# Altium PCB BEE_BOARD.PcbDoc (part 2 of 3) (continued)
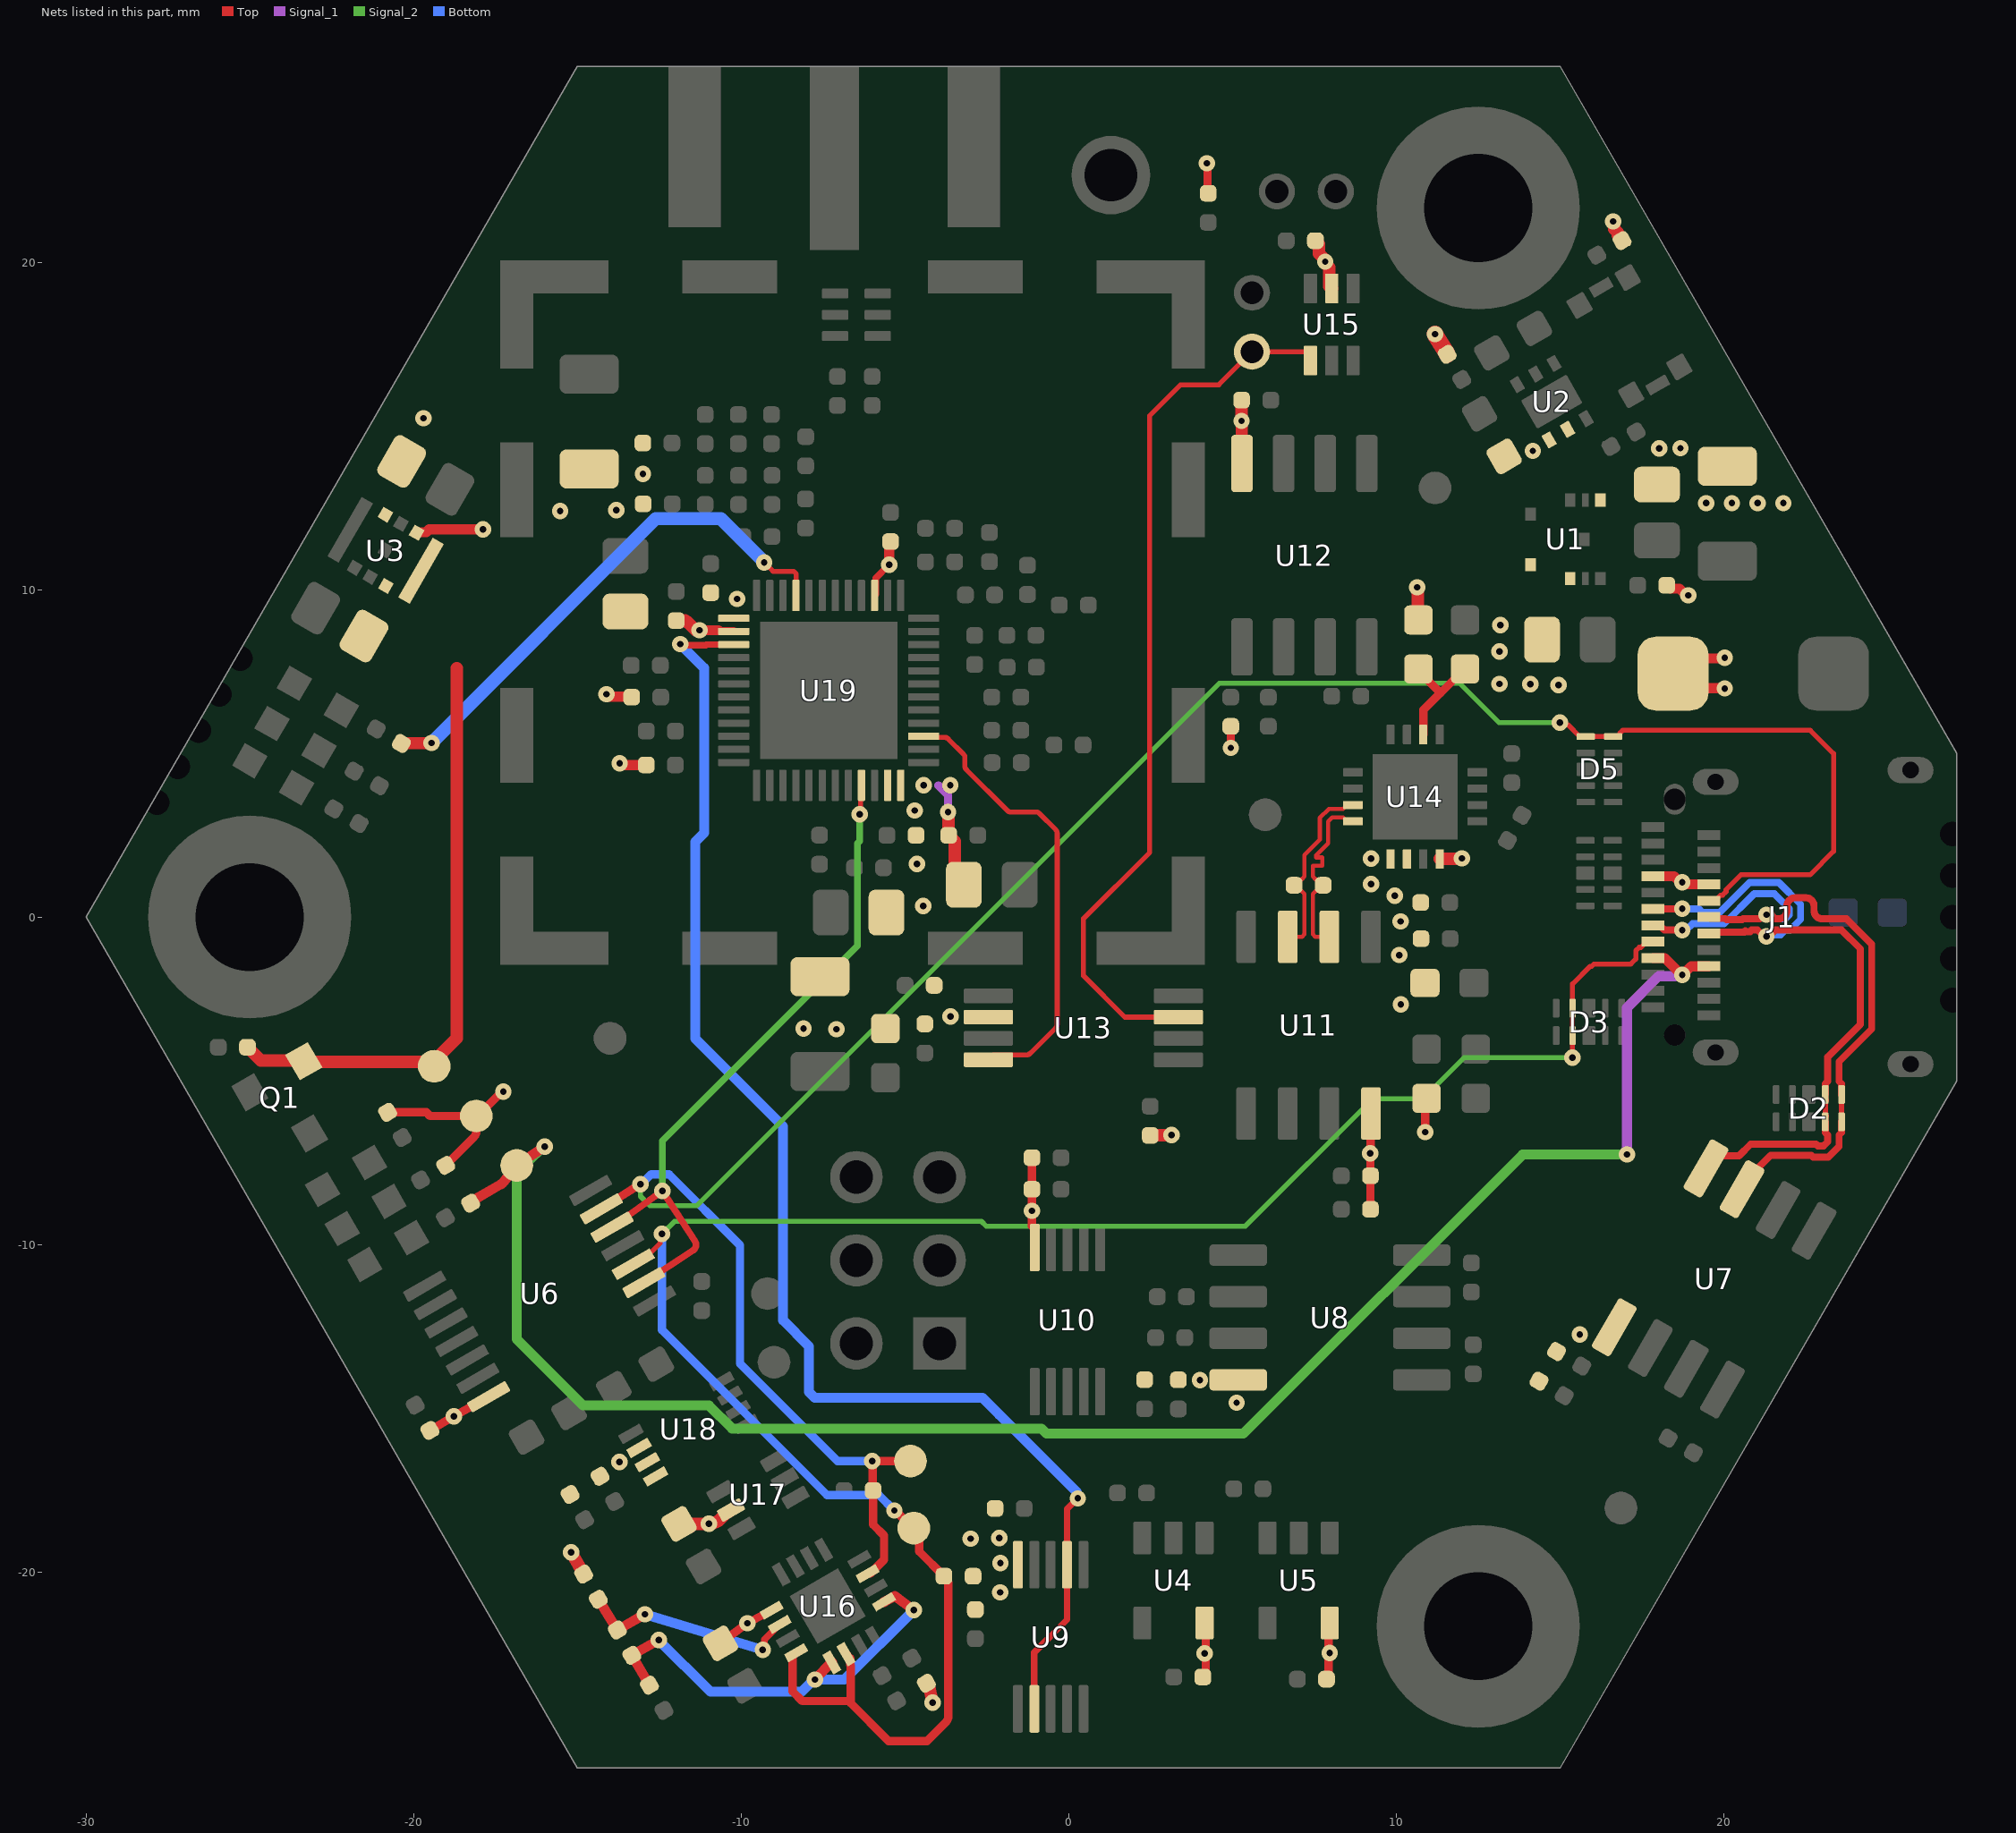
[diagram p8: the nets of this part, all layers, seen from the top]
## Part data (continued)
R35: library part RES_RC0402FR-0711KL, "RES - 11K 1% 1/16W - 0402", Manufacturer #1=Yageo, Package=0402, Power Max=1/16W, Supplier Part Number 1=311-11.0KLRCT-ND, Temperature="-55°C ~ 155°C", Tolerance=1%, Voltage Rating=50V, Assembly Type=SMD, CreatedBy/Date="Keven Deslandes 2018-10-15", Cryo=UNKNOWN, GRAMS Lib Spec=2.8, HelpURL=http://www.yageo.com/documents/recent/PYu-RC_Group_51_RoHS_L_9.pdf, Magnetic Material=Unknown, Part Number #1=RC0402FR-0711KL, Polarized=No, Supplier 1=Digi-Key, VerifiedBy="Carolilne Paulin - 18/12/2018"
R36: library part RES_RC0402FR-0716KL, "RES - 16k OHM 1% 1/16W - 0402", Manufacturer #1=Yageo, Package=0402, Power Max=1/16W, Supplier Part Number 1=311-16.0KLRCT-ND, Temperature="-55°C ~ 155°C", Tolerance=1%, Voltage Rating=50V, Assembly Type=SMD, CreatedBy/Date="Nicolas Roy/18 oct. 2018", Cryo=UNKNOWN, GRAMS Lib Spec=2.8, HelpURL=http://www.yageo.com/documents/recent/PYu-RC_Group_51_RoHS_L_9.pdf, Magnetic Material=Unknown, Part Number #1=RC0402FR-0716KL, Polarized=NO, Supplier 1=Digi-Key, VerifiedBy="Caroline Paulin - 18/12/2018"
R37: library part RES_RC0402FR-07270RL, "RES - 270R 1% 1/16W - 0402", Manufacturer #1=Yageo, Package=0402, Power Max=1/16W, Supplier Part Number 1=311-270LRCT-ND, Temperature="-55°C ~ 155°C", Tolerance=1%, Voltage Rating=50V, Assembly Type=SMD, CreatedBy/Date="Philippe Arsenault 2020-07-24", GRAMS Lib Spec=2.8c, HelpURL=https://www.yageo.com/upload/media/product/productsearch/datasheet/rchip/PYu-RC_Group_51_RoHS_L_10.pdf, Magnetic Material=Unknown, Part Number #1=RC0402FR-07270RL, Polarized=No, Supplier 1=Digi-Key, VerifiedBy="Louis-Daniel Gaulin / 03-10-2020"
RF1: library part RF_SH_BASE_36103205S, "RF_SH -  BASE RF SHIELD 0.787\" X 0.787\" SMD", Manufacturer #1="Würth Elektronik", Supplier Part Number 1=732-11540-1-ND, Temperature="-40°C ~ 125°C", Assembly Type=SMD, CreatedBy/Date="Philippe Arsenault/2021-04-17", GRAMS Lib Spec=2.8, HelpURL=https://www.we-online.de/katalog/datasheet/36903205S.pdf, Magnetic Material=Unknown, Note="Buy with 36003200S", Part Number #1=36103205S, Polarized=No, Supplier 1=Digi-Key, VerifiedBy="Louis-Daniel Gaulin / 29-04-2021"
S1: library part SWI_TACT_435171014816, "SWI - SWITCH TACTILE SPST-NO 0.05A 12V -SMD", Current Rating=50mA, Manufacturer #1="Würth Elektronik", Package=SMD, Supplier Part Number 1=732-435171014816CT-ND, Temperature="-40°C ~ 85°C", Voltage Rating=12VDC, Assembly Type=SMD, CreatedBy/Date="Hubert Dube - 22/07/20", Cryo=UNKNOWN, GRAMS Lib Spec=2.8, HelpURL=https://www.we-online.com/catalog/datasheet/435171014816.pdf, Magnetic Material=UNKNOWN, Part Number #1=435171014816, Polarized=No, Supplier 1=Digi-Key, VerifiedBy="Louis-Daniel Gaulin / 12-11-2020"
T1: library part XFR_HHM1595A1, "XFR - Imp Unbalaced/Balanced 50/100 3-8GHz  -SMD", Manufacturer #1=TDK, Package=0805, Supplier Part Number 1=445-3387-1-ND, Temperature="-40°C ~ 85°C", Assembly Type=MT, CreatedBy/Date="Philippe Arsenault/2020-21-07", GRAMS Lib Spec=2.8, HelpURL=https://product.tdk.com/info/en/documents/data_sheet/rf_balun_hhm1595a1_en.pdf, Magnetic Material=Unknown, Part Number #1=HHM1595A1, Polarized=Yes, Supplier 1=Digi-Key, VerifiedBy="Louis-Daniel Gaulin / 03-10-2020"
U1: library part REG_SWR_XCL214B333DR, "REG_DC DC CONVERTER 3.3V 5W_9-PowerTFQFN", Current Rating=1.5A, Manufacturer #1="Torex Semiconductor Ltd", Package=9-PowerTFQFN, Supplier Part Number 1=893-1218-1-ND, Temperature="-40°C ~ 105°C", Voltage Rating="2.7V to 5.5V IN", Assembly Type=SMD, CreatedBy/Date="Louis-Daniel Gaulin / 21-07-2020", Cryo=UNKNOWN, GRAMS Lib Spec=2.8, HelpURL=https://www.torexsemi.com/file/xcl213/XCL213-XCL214.pdf, Magnetic Material=Unknown, Part Number #1=XCL214B333DR, Polarized=Yes, Supplier 1=Digi-Key, VerifiedBy="Philippe Arsenault/2020-11-06"
U2: library part POW_TPS3808G33DRVR, "POW - Programmable-Delay Supervisory Circuit Open Drain - 6WSON", Current Rating=2.4uA, Manufacturer #1="Texas Instruments", Package=6-WSON, Supplier Part Number 1=296-36792-1-ND, Temperature="-40°C ~ 125°C", Voltage Rating="1.7V ~ 6.5V (VDD); 3.07V TH", Assembly Type=SMD, CreatedBy/Date="Philippe Arsenault/2021-04-19", Cryo=UNKNOWN, GRAMS Lib Spec=2.8, HelpURL=http://www.ti.com/lit/ds/symlink/tps3808.pdf, Magnetic Material=Unknown, Part Number #1=TPS3808G33DRVR, Polarized=Yes, Supplier 1=Digi-Key, VerifiedBy="Louis-Daniel Gaulin / 29-04-2021"
U3: library part REG_SWR_MYRGP180100W21RA, "REG_DC DC CONVERTER 1.8V 1.8W_8-PowerTDFN", Current Rating=1A, Manufacturer #1="Murata Power Solutions Inc.", Package=8-PowerTDFN, Supplier Part Number 1=811-MYRGP180100W21RACT-ND, Temperature=-40°C~105°C, Voltage Rating="2.5V to 5.5V IN", Assembly Type=SMD, CreatedBy/Date="Louis-Daniel Gaulin / 21-07-2020", Cryo=UNKNOWN, GRAMS Lib Spec=2.8, HelpURL=https://www.murata.com/products/productdata/8807036026910/MYRGP-b-w.pdf?1583754814000, Magnetic Material=Unknown, Part Number #1=MYRGP180100W21RA, Polarized=Yes, Supplier 1=Digi-Key, VerifiedBy="Philippe Arsenault/2020-11-06"
U4 U5: library part LOG_BUF_74AHC1G07GV,125, "LOG_BUF - Buffer non-inverting Open Drain - SC-74A", Current Rating=8mA, Manufacturer #1="Nexperia USA Inc.", Package=SC-74A, Power Max=-, Supplier Part Number 1=1727-6761-1-ND, Temperature="-40°C ~ 125°C (TA)", Voltage Rating="2V ~ 5.5V", Assembly Type=SMD, CreatedBy/Date="Louis-Daniel Gaulin / 07-04-2021", GRAMS Lib Spec=2.8, HelpURL=https://assets.nexperia.com/documents/data-sheet/74AHC1G07.pdf, Magnetic Material=Unknown, Part Number #1=74AHC1G07GV,125, Polarized=Yes, Supplier 1=Digi-Key, VerifiedBy="Philippe Arsenault/2021-04-08"
U6: library part LOG_BUF_74LVC126APW,118, "LOG_BUF - Quad Buffer non-inverting 3-States - 14-TSSOP", Current Rating="100mA (supply) - 24mA (output)", Manufacturer #1="Nexperia USA Inc.", Package=14-TSSOP, Power Max=500mW, Supplier Part Number 1=1727-5979-1-ND, Temperature="-40°C ~ 125°C (TA)", Voltage Rating="1.65V ~ 3.6V", Assembly Type=SMD, CreatedBy/Date="Louis-Daniel Gaulin / 11-04-2021", GRAMS Lib Spec=2.8, HelpURL=https://assets.nexperia.com/documents/data-sheet/74LVC126A.pdf, Magnetic Material=Unknown, Part Number #1=74LVC126APW,118, Polarized=Yes, Supplier 1=Digi-Key, VerifiedBy="Philippe Arsenault/2021-04-14"
U7: library part COM_XCV_FIN1027AMX, "COM_XCV - 3V3 LVCMOS to LVDS, 2 bits, High-SPEED, DIFF driver - SOIC-8", Current Rating=17mA, Manufacturer #1="ON Semiconductor", Package=SOIC-8, Power Max=56mW, Supplier Part Number 1=FIN1027AMXCT-ND, Temperature="-40°C ~ 85°C", Voltage Rating="3V ~ 3.6V", Assembly Type=SMD, CreatedBy/Date="Philippe Arsenault/2021-04-01", GRAMS Lib Spec=2.8, HelpURL=https://www.onsemi.com/pdf/datasheet/fin1027a-d.pdf, Magnetic Material=Unknown, Part Number #1=FIN1027AMX, Polarized=YES, Supplier 1=Digi-Key, VerifiedBy="Louis-Daniel Gaulin - 05/04/2021"
U8 U12: library part COM_XCV_FIN1028MX, "COM_XCV - 3V3 LVDS to LVCMOS, 2 bits, High-SPEED, DIFF receiver - SOIC-8", Current Rating=9mA, Manufacturer #1="ON Semiconductor", Package=SOIC-8, Power Max=30mW, Supplier Part Number 1=FIN1028MXCT-ND, Temperature="-40°C ~ 85°C", Voltage Rating="3V ~ 3.6V", Assembly Type=SMD, CreatedBy/Date="Philippe Arsenault/2021-04-01", GRAMS Lib Spec=2.8, HelpURL=https://www.onsemi.com/pdf/datasheet/fin1028-d.pdf, Magnetic Material=Unknown, Part Number #1=FIN1028MX, Polarized=YES, Supplier 1=Digi-Key, VerifiedBy="Louis-Daniel Gaulin - 05/04/2021"
U9 U10: library part LOG_MUX_TMUX154EDGSR, "LOG_MUX -  SWITCH SPDT DUAL 2:1 - 10-VSSOP", Current Rating=10uA, Manufacturer #1="Texas Instruments", Manufacturer #2=-, Package=10-VSSOP, Power Max=50uW, Supplier Part Number 1=296-48347-1-ND, Temperature="-40°C ~ 85°C", Voltage Rating="3V ~ 4.3V", Assembly Type=SMD, CreatedBy/Date="Louis-Daniel Gaulin / 06-10-2020", GRAMS Lib Spec=2.8C, HelpURL=https://www.ti.com/lit/ds/symlink/tmux154e.pdf?HQS=TI-null-null-digikeymode-df-pf-null-wwe&ts=1602037764538, Magnetic Material=Unknown, Note=-, Part Number #1=TMUX154EDGSR, Part Number #2=-, Polarized=YES, Supplier 1=Digi-Key, Tolerance=-, VerifiedBy="Philippe Arsenault/2020-11-06"
U11: library part TIM_BUF_PI6C49CB01Q3WEX, "TIM_BUF - Clock Translator IC 1:1 LVDS-LVCMOS -  8-SOIC", Current Rating=35mA, Manufacturer #1="Diodes Incorporated", Package=8-SOIC, Power Max=126mW, Supplier Part Number 1=31-PI6C49CB01Q3WEXCT-ND, Temperature="-40 to 85°C", Voltage Rating="2.375V ~ 2.625V, 3V ~ 3.6V", Assembly Type=SMD, CreatedBy/Date="Philippe Arsenault/2021-03-26", GRAMS Lib Spec=2.7, HelpURL=https://www.diodes.com/assets/Datasheets/PI6C49CB01Q.pdf, Magnetic Material=Unknown, Part Number #1=PI6C49CB01Q3WEX, Polarized=Yes, Supplier 1=Digi-Key, VerifiedBy="Louis-Daniel Gaulin - 05/04/2021"
U13: library part COM_BUF_LMK1C1102PWR, "COM - BUF - Clock buffer 3V3, 2V5, 1V8 2 Channel - TSSOP 8", Current Rating="Input +-20mA ; Output +- 50mA", Manufacturer #1="Texas Instruments", Package="TSSOP 8 pin", Power Max=132mW, Supplier Part Number 1=296-LMK1C1102PWRCT-ND, Temperature="–40°C to 125°C", Voltage Rating="1.71V ~ 1.89V, 2.375V ~ 2.625V, 3.135V ~ 3.465V", Assembly Type=SMT, CreatedBy/Date="Philippe Arsenault/20-07-2020", Cryo=No, GRAMS Lib Spec=2.8, HelpURL=https://www.ti.com/lit/ds/symlink/lmk1c1102.pdf?ts=1595262014854&ref_url=https%253A%252F%252Fwww.ti.com%252Fproduct%252FLMK1C1102%253Futm_source%253Dgoogle%2526utm_medium%253Dcpc%2526utm_campaign%253Dasc-null-null-GPN_EN-cpc-pf-google-wwe%2526utm_content%253DLMK1C1102%2526ds_k%253DLMK1C1102%2526DCM%253Dyes%2526gclid%253DCjwKCAjwgdX4BRB_EiwAg8O8HUIvo-ksMfq8YInqTklLXWuMoCGXxsnhq04Fqr4kdDFQPSc0fYG9iRoCPvAQAvD_BwE%2526gclsrc%253Daw.ds, Magnetic Material=Unknown, Part Number #1=LMK1C1102PWR, Polarized=Yes, Supplier 1=Digi-Key, VerifiedBy="Louis-Daniel Gaulin / 23-07-2020"
U14: library part TIM_MUX_DS25CP102TSQ/NOPB, "TIM_MUX - Crosspoint Switch 1 x 2:2 3.125Gbps - 16-WQFN (4x4)", Current Rating=90mA, Manufacturer #1="Texas Instrument", Package=16-WQFN, Power Max=180mW, Supplier Part Number 1=DS25CP102TSQ/NOPBCT-ND, Temperature="-40°C ~ 85°C", Voltage Rating="3V ~ 3.6V", Assembly Type=SMD, CreatedBy/Date="Philippe Arsenault/2021-04-01", GRAMS Lib Spec=2.8, HelpURL=https://www.ti.com/lit/ds/symlink/ds25cp102.pdf?HQS=dis-dk-null-digikeymode-dsf-pf-null-wwe&ts=1617306001217, Magnetic Material=UNKNOWN, Part Number #1=DS25CP102TSQ/NOPB, Polarized=YES, Supplier 1=Digi-Key, VerifiedBy="Louis-Daniel Gaulin / 08-04-2021"
U15: library part LOG_FLIPFLOP_SN74LVC1G175DCKT, "LOG_FLIPFLOP - Single D flip-flop with Asynchronous clear - SOT-363", Current Rating=100mA, Manufacturer #1="Texas Instruments", Package=SOT-363, Part Number #1=SN74LVC1G175DCKR, Supplier Part Number 1=296-16998-1-ND, Temperature="-40°C ~ 125°C", Voltage Rating="1.65V ~ 5.5V", Assembly Type=SMD, CreatedBy/Date="Philippe Arsenault/21-07-2020", Cryo=No, GRAMS Lib Spec=2.8, HelpURL=https://www.ti.com/lit/ds/symlink/sn74lvc1g175.pdf?ts=1594769483993&ref_url=https%253A%252F%252Fwww.google.com%252F, Magnetic Material=Unknown, Polarized=Yes, Supplier 1=Digi-Key, VerifiedBy="Louis-Daniel Gaulin / 03-10-2020"
U16: library part CMP_LM339LVRTER, "COMP - Quad Comparator General Purpose Open-Drain, Rail-to-Rail - 16-WQFN (3x3)", Current Rating="100mA@5V (SC)", Manufacturer #1="Texas instrument", Package="16-WFQFN Exposed Pad", Power Max=-, Supplier Part Number 1=296-LM339LVRTERCT-ND, Temperature="-40°C ~ 125°C (TA)", Voltage Rating="1.65V ~ 5.5V", Assembly Type=SMD, CreatedBy/Date="Philippe Arsenault/2021-04-10", GRAMS Lib Spec=2.8, HelpURL=https://www.ti.com/lit/ds/symlink/lm339lv.pdf?ts=1618013735062, Magnetic Material=Unknown, Part Number #1=LM339LVRTER, Polarized=Yes, Supplier 1=Digi-Key, VerifiedBy="Louis-Daniel Gaulin / 14-04-2021"
U17: library part LOG_XOR_74LVC1G386GW,125, "LOG -  XOR (Exclusive OR) IC 1 Channel 3 inputs- 6-TSSOP", Current Rating="100mA (supply) , 50mA (out)", Manufacturer #1="Nexperia USA Inc.", Package=6-TSSOP, Power Max=250mW, Supplier Part Number 1=1727-6982-1-ND, Temperature="-40°C ~ 125°C (TA)", Voltage Rating="1.65V ~ 5.5V", Assembly Type=SMD, CreatedBy/Date="Philippe Arsenault/2021-04-10", GRAMS Lib Spec=2.8, HelpURL=https://assets.nexperia.com/documents/data-sheet/74LVC1G386.pdf, Magnetic Material=Unknown, Part Number #1=74LVC1G386GW,125, Polarized=Yes, Supplier 1=Digi-Key, VerifiedBy="Louis-Daniel Gaulin / 14-04-2021"
U18: library part LOG_FLIPFLOP_74LVC1G74DC,125, "LOG_FLIPFLOP - D-Type Flip Flop Bit Positive Edge with asynchronous operation - 8-VSSOP", Current Rating="32mA output", Manufacturer #1="Nexperia USA Inc.", Package=VSSOP-8, Power Max=300mW, Supplier Part Number 1=1727-4029-1-ND, Temperature="-40°C ~ 125°C (TA)", Voltage Rating="1.65V ~ 5.5V", Assembly Type=SMD, CreatedBy/Date="Philippe Arsenault/2021-04-14", GRAMS Lib Spec=2.8, HelpURL=https://assets.nexperia.com/documents/data-sheet/74LVC1G74.pdf, Magnetic Material=Unknown, Part Number #1=74LVC1G74DC,125, Polarized=Yes, Supplier 1=Digi-Key, VerifiedBy="Louis-Daniel Gaulin / 16-04-2021"
U19: library part COM_XCV_DW1000-I-TR13, "COM - IC RF TxRx 802.15.4 IR-UWB DECAWAVE - 48-VFQFN EP", Current Rating="Rx 64mA/Tx 31mA", Manufacturer #1=Decawave, Manufacturer #2=Qorvo, Package="QFN 48", Supplier Part Number 1=1479-1001-1-ND, Temperature="-40°C ~ 85°C", Voltage Rating="2.8 - 3.6 V", Assembly Type=SMT, CreatedBy/Date="Philippe Arsenault/13-07-2020", Cryo=No, GRAMS Lib Spec=2.8, HelpURL=https://www.decawave.com/sites/default/files/resources/DW1000-Datasheet-V2.12.pdf, Magnetic Material=Unknown, Part Number #1=DW1000-I-TR13, Polarized=Yes, Supplier 1=Digi-Key

## Via types
v1: diameter 0.5, hole 0.2, Top to Bottom, tented both sides, 274 vias
v2: diameter 0.5, hole 0.25, Top to Bottom, tented both sides, 16 vias

## Nets (pads, with @x,y where several pads share a name; then routed paths per layer and width w, separated by ;. In a path a pad name is that pad's centre, name@x,y a point inside that pad or via, vN(x,y) a via of type N, cw(c..) or ccw(c..) an arc to the next point about the centre after c; other vN are vias at no path point)
0V825_REF: R30.1 R31.2 U16.5 U16.9 | length 13.3
  Top w0.305: R31.2@-12.8,-23.452 R30.1@-13.337,-22.539 v1(-12.515,-22.073) ; v1(-7.744,-23.281) -7.744,-23.268 U16.5@-7.23,-22.754 ; U16.9@-5.638,-20.911 -5.305,-20.724 v1(-4.729,-21.159)
  Bottom w0.305: v1(-12.515,-22.073) -10.936,-23.652 -8.154,-23.652 -7.783,-23.281 v1(-7.744,-23.281) -6.85,-23.281 v1(-4.729,-21.159)
1V8: 1V8.1 C8.2 C39.2 C43.2 C62.2 C66.2 Q1.1 R3.1 U3.3 U3.8 U19.26 U19.48 | length 23.7
  Top w0.254: U19.26@-10.663,8.732 U19.26@-10.234,8.732
  Top w0.305: C8.2@-21.238,8.914 C8.2@-21.238,8.969 ; v1(-11.268,8.76) U19.26@-10.69,8.76
  Top w0.381: R3.1@-25.072,-3.971 -24.669,-4.374 -23.378,-4.374 Q1.1@-23.353,-4.399 -23.328,-4.424 -19.668,-4.424 -19.656,-4.435 -19.489,-4.435 1V8.1@-19.371,-4.553 -19.371,-4.386 -18.676,-3.691 -18.676,7.606 ; C66.2@-11.98,9.056 -11.719,9.056 -11.683,9.019 -11.647,9.019 -11.387,8.76 v1(-11.268,8.76) ; v1@-3.682,3.275 v1(-3.682,3.208) -3.673,3.199 -3.673,2.506 C43.2@-3.664,2.497 -3.482,2.315 -3.482,1.502 -3.139,1.159 C39.2@-3.009,1.159
  Signal_1 w0.254: -3.98,4.024 -3.682,3.726 v1(-3.682,3.208)
  other v1: -4.429,4.028 -3.616,4.028
2V475_REF: R29.1 R30.2 U16.2 | length 6.8
  Top w0.203: v1(-9.34,-22.369) -9.293,-22.322 -9.293,-22.063 U16.2@-8.823,-21.595 U16.2@-8.823,-21.595
  Top w0.305: R29.1@-14.362,-20.829 R30.2@-13.781,-21.769 v1(-12.94,-21.287)
  Bottom w0.305: v1(-12.94,-21.287) v1(-9.34,-22.369)
3V3: 3V3.1 C4.1 C5.2 C7.2 C9.2 C10.2 C11.2 C12.1 C13.2 C14.2 C15.2 C16.2 C17.2 C21.2 C22.2 C23.2 C24.1 C25.2 C26.2 C27.1 C28.2 C29.2 C30.2 C31.1 C32.1 C33.1 C34.2 C35.2 C36.2 C40.2 C41.2 C45.2 C47.2 C49.2 L1.1 L2.1 R2.2 R4.1 R13.2 R15.2 R19.2 R23.2 R24.2 R25.2 R28.2 R29.2 R38.1 R39.1 R40.2 R41.2 R42.2 U1.4 U1.9 U2.1 U2.2 U3.4 U3.6 U4.5 U5.5 U6.14 U7.1 U8.8 U9.10 U10.10 U11.8 U12.8 U13.6 U14.13 U14.14 U14.16 U15.5 U16.1 U17.5 U18.6 U18.7 U18.8 U19.15 U19.25 U19.47 | length 37.8
  Top w0.152: U19.15@-5.926,9.824 U19.15@-5.892,9.857 ; v1@-5.485,10.76 v1(-5.478,10.76) ; C47.2@-5.478,11.308 -5.378,11.408 C47.2@-5.437,11.467
  Top w0.203: U19.15@-5.892,9.857 -5.892,10.353 v1@-5.485,10.76
  Top w0.254: R4.1@-20.792,-5.959 -19.609,-5.959 -19.497,-6.072 3V3.1@-18.084,-6.072 ; C12.1@-19.503,-15.673 v1(-18.77,-15.243) U6.14@-17.708,-14.645 ; R2.2@-19.019,-7.58 -18.158,-6.719 ccw(c-18.338,-6.54) -18.084,-6.54 3V3.1@-18.084,-6.072 ; v1(-17.26,-5.328) -17.3,-5.328 -18.044,-6.072 3V3.1@-18.084,-6.072 ; C32.1@-10.633,-22.175 v1(-9.807,-21.558) U16.1@-9.073,-21.162 ; C21.2@-1.123,-7.346 C17.2@-1.123,-8.309 v1(-1.123,-8.967) -1.123,-9.431 -1.038,-9.516 U10.10@-1.038,-10.091 ; R23.2@2.488,-6.664 R23.2@2.488,-6.664 R23.2@2.494,-6.658 ; v1@3.135,-6.658 v1(3.14,-6.652) ; C10.2@4.095,-23.202 4.183,-23.113 4.183,-22.514 v1(4.15,-22.48) ; U4.5@4.149,-21.554 4.183,-21.589 v1@4.183,-22.48 ; v1(4.219,23.018) 4.24,22.997 4.24,22.123 R24.2@4.261,22.103 ; v1(4.948,5.167) R19.2@4.948,5.827 ; C9.2@7.89,-23.141 7.931,-23.1 7.931,-21.595 U5.5@7.971,-21.554 ; C22.2@9.212,-8.923 C23.2@9.212,-7.899 9.209,-7.896 9.209,-7.22 v1(9.205,-7.217) 9.217,-7.205 9.217,-6.011 U11.8@9.228,-6 ; v1(10.636,10.071) v1@10.656,10.051 ; R15.2@10.656,9.094 R15.2@10.675,9.074 ; v1(10.886,-6.564) 10.886,-5.573 R13.2@10.925,-5.534 ; R42.2@11.553,17.186 R42.2@11.553,17.301 ; C5.2@14.415,8.441 C5.2@14.449,8.475
  Top w0.305: U3.4@-19.907,11.74 -19.895,11.751 -19.613,11.751 -19.523,11.841 v1(-17.885,11.841) ; v1@-14.131,6.733 -13.357,6.733 R38.1@-13.341,6.717 ; v1(-14.111,6.806) v1@-14.095,6.79 ; v1@-13.744,4.644 -12.9,4.644 R39.1@-12.897,4.647 ; v1(-5.478,10.76) C47.2@-5.478,11.308
  Top w0.381: v1(-15.186,-19.395) R29.2@-14.807,-20.059 ; C33.1@-11.896,-18.529 -11.56,-18.628 -11.56,-18.544 -11.545,-18.53 -10.986,-18.53 v1(-10.981,-18.525) -10.936,-18.514 cw(c-10.843,-18.883) -10.918,-18.51 -10.844,-18.495 ccw(c-10.919,-18.121) -10.649,-18.391 -10.485,-18.226 ccw(c-10.755,-17.958) -10.466,-18.206 -10.486,-18.218 U17.5@-10.309,-18.105 ; R28.2@-4.346,-23.395 -4.297,-23.466 cw(c-4.611,-23.682) -4.24,-23.597 v1(-4.152,-23.982) ; R23.2@2.494,-6.658 v1@3.135,-6.658 ; C25.2@5.28,15.789 5.279,15.788 v1(5.277,15.152) v1(5.277,15.152) 5.284,15.146 5.284,13.856 U12.8@5.29,13.85 ; C31.1@7.53,20.656 7.642,20.544 7.642,20.256 7.828,20.07 v1(7.828,20.016) 7.828,19.963 7.957,19.834 7.957,19.27 U15.5@8.03,19.197 ; R15.2@10.656,9.094 v1@10.656,10.051 ; U14.16@11.325,1.775 11.325,1.783 11.327,1.785 11.994,1.785 v1(12.005,1.795) ; v1(16.622,21.247) 16.659,21.209 16.659,21.007 16.765,20.902 16.765,20.818 16.893,20.69 R40.2@16.893,20.658
  Top w0.508: v1(11.183,17.804) R42.2@11.553,17.186
  other v1: 7.968,-22.469 -2.09,-20.62 -2.088,-19.725 -2.998,-18.979 -2.118,-18.958 -13.712,-16.64 5.126,-14.827 4.005,-14.141 15.602,-12.745 -7.089,-3.424 -8.095,-3.401 -3.611,-3.032 10.137,-2.665 10.094,-1.158 10.132,-0.129 -4.442,0.34 9.952,0.656 9.228,1.009 -4.634,1.625 9.228,1.785 -4.704,3.254 -13.708,4.701 14.954,7.084 13.149,7.124 14.096,7.117 13.149,8.115 13.177,8.92 -10.126,9.717 -15.526,12.403 -13.813,12.431 -13,13.535 14.169,14.239 -19.697,15.234
5V: 5V.1 C1.2 C3.2 D1.1 J1.A4 J1.A9 J1.B4 J1.B9 R1.2 R43.2 U1.1 | length 62.8
  Top w0.305: R1.2@-18.258,-8.733 -18.188,-8.651 -17.333,-8.158 ccw(c-17.486,-7.894) -17.247,-8.083 5V.1@-16.85,-7.58 v1(-15.996,-7.01) ; J1.A4@17.84,-1.25 17.842,-1.252 18.202,-1.252 18.693,-1.744 18.693,-1.765 18.746,-1.765 19.009,-1.502 19.538,-1.502 J1.B9@19.54,-1.5 ; J1.A9@17.84,1.25 17.842,1.248 18.485,1.248 18.733,1 J1.B4@19.54,1 ; D1.1@18.258,7.628 D1.1@18.45,7.436 ; R43.2@18.258,10.133 18.359,10.032 18.652,10.032 18.86,9.824 v1(18.913,9.824) ; v1(20.027,6.983) 20.02,6.99 18.895,6.99 D1.1@18.45,7.436 ; v1(20.027,7.924) 20.002,7.898 18.913,7.898 D1.1@18.45,7.436
  Signal_1 w0.305: v1(17.043,-7.245) 17.043,-2.771 18.011,-1.803 18.656,-1.803 v1@18.693,-1.765
  Signal_2 w0.305: v1(-15.996,-7.01) -16.049,-7.01 -16.517,-7.479 -16.571,-7.479 -16.85,-7.758 -16.85,-12.885 -14.829,-14.906 -10.986,-14.906 -10.273,-15.619 -0.831,-15.619 -0.678,-15.772 5.335,-15.772 13.861,-7.245 v1(17.043,-7.245)
  other v1: 18.73,-1.765 18.73,1.068 19.459,12.642 20.244,12.642 21.029,12.642 21.814,12.642 18.028,14.311 18.677,14.321
BB_CLK: CLK.2 U13.3 U15.1 | length 27.3
  Top w0.152: U13.3@3.348,-3.053 1.713,-3.053 0.448,-1.788 0.448,-0.047 2.472,1.977 2.472,15.311 3.415,16.254 4.582,16.254 CLK.2@5.595,17.266 7.269,17.266 7.381,17.155 U15.1@7.381,16.997
CC1: CC1.1 D3.4 D3.7 J1.A5 R25.1 U6.3 U16.4 U16.6 | length 64.8
  Top w0.152: U6.3@-13.292,-10.594 -13.109,-10.594 -12.475,-9.96 -12.475,-9.729 v1(-12.418,-9.672) ; v1(15.376,-4.293) 15.379,-4.29 15.379,-2.783 D3.4@15.381,-2.78 15.381,-2.281 15.382,-2.28 15.382,-2.04 15.922,-1.5 15.966,-1.5 16.034,-1.432 17.158,-1.432 17.312,-1.278 17.312,-1.026 17.416,-0.922 17.468,-0.922 17.64,-0.75 J1.A5@17.84,-0.75
  Top w0.254: U16.4@-8.323,-22.461 -8.428,-22.566 -8.428,-23.645 -8.133,-23.939 -6.716,-23.939 -6.656,-23.999 ; U16.6@-6.797,-22.504 -6.671,-22.629 -6.671,-22.836 -6.656,-22.851 -6.656,-23.999 ; v1(-5.323,-18.12) -5.294,-18.12 -4.758,-18.656 CC1.1@-4.729,-18.656 -4.566,-18.818 -4.566,-19.366 R25.1@-3.809,-20.124 -3.748,-20.185 cw(c-3.927,-20.365) -3.673,-20.365 -3.673,-24.399 cw(c-3.927,-24.399) -3.748,-24.579 -4.325,-25.157 -5.499,-25.157 -6.656,-23.999
  Signal_2 w0.152: v1(-12.418,-9.672) -12.033,-9.288 -2.666,-9.288 -2.52,-9.434 5.391,-9.434 9.278,-5.548 10.81,-5.548 12.066,-4.292 v1@15.378,-4.292
  Bottom w0.254: v1(-12.418,-9.672) -12.418,-12.604 -7.375,-17.646 -5.796,-17.646 v1(-5.323,-18.12)
CC2: CC2.1 D5.5 D5.6 J1.B5 R26.2 U6.6 U16.11 | length 71.4
  Top w0.152: v1(14.993,5.942) 15.059,5.875 15.239,5.875 15.6,5.514 D5.6@15.783,5.514 16.8,5.514 16.824,5.538 16.824,5.616 16.914,5.705 22.637,5.705 23.35,4.992 23.35,2.008 22.635,1.293 20.92,1.293 20.524,1.293 20.068,0.837 20.068,0.776 19.964,0.672 19.903,0.672 19.814,0.583 19.814,0.574 19.74,0.5 J1.B5@19.54,0.5
  Top w0.254: U6.6@-14.267,-8.906 v1(-13.073,-8.152) ; U16.11@-6.138,-20.045 -6.061,-20.045 -5.638,-19.622 -5.638,-18.885 -5.973,-18.55 R26.2@-5.973,-17.506 -5.973,-17.492 -5.987,-17.478 -5.987,-16.624 v1(-6,-16.61) CC2.1@-4.831,-16.61
  Signal_2 w0.152: v1(-13.073,-8.152) -13.072,-8.523 -12.781,-8.814 -11.356,-8.814 4.604,7.145 11.93,7.145 13.133,5.942 v1(14.993,5.942)
  Bottom w0.254: v1(-13.073,-8.152) -13.045,-8.152 -12.749,-7.856 -12.196,-7.856 -10.033,-10.018 -10.033,-13.634 -7.057,-16.61 v1(-6,-16.61)
CLK_BB_LVDS_N: R17.1 U11.3 U14.11 | length 5.7
  Top w0.127: U11.3@6.688,-0.6 7.122,-0.6 7.196,-0.526 7.196,0.165 7.198,0.167 7.198,0.71 7.124,0.784 7.119,0.784 R17.1@6.929,0.975 ; R17.1@6.88,0.975 R17.1@6.929,0.975 ; U14.11@8.675,3.425 8.5,3.425 8.377,3.302 8.184,3.302 7.941,3.302 7.665,3.026 7.665,2.361 7.198,1.894 7.198,1.24 7.124,1.165 7.119,1.165 R17.1@6.929,0.975
CLK_BB_LVDS_P: R17.2 U11.2 U14.12 | length 5.7
  Top w0.127: R17.2@7.769,0.975 R17.2@7.721,0.975 ; U11.2@7.958,-0.6 7.525,-0.6 7.45,-0.526 7.45,0.06 7.452,0.061 7.452,0.71 7.526,0.784 7.531,0.784 R17.2@7.721,0.975 ; U14.12@8.675,2.925 8.5,2.925 8.377,3.048 8.079,3.048 8.046,3.048 7.919,2.921 7.919,2.256 7.559,1.896 7.559,1.822 7.738,1.822 7.738,1.568 7.452,1.568 7.452,1.25 7.452,1.24 7.526,1.165 7.531,1.165 R17.2@7.721,0.975
CLK_OUT: U13.8 U19.3 | length 13.9
  Top w0.152: U19.3@-4.426,5.524 -4.392,5.49 -3.788,5.49 cw(c-3.788,5.337) -3.681,5.446 -3.212,4.978 cw(c-3.321,4.87) -3.168,4.87 -3.168,4.611 ccw(c-3.016,4.611) -3.124,4.504 -1.875,3.255 ccw(c-1.768,3.363) -1.769,3.211 -1.001,3.211 cw(c-1.001,3.058) -0.894,3.167 -0.396,2.668 cw(c-0.504,2.561) -0.351,2.561 -0.351,-3.274 cw(c-0.504,-3.274) -0.395,-3.381 -1.174,-4.161 cw(c-1.282,-4.052) -1.282,-4.205 -2.303,-4.205 U13.8@-2.452,-4.353
D_N: D2.4 D2.7 J1.A7 J1.B7 U7.8 | length 22.5
  Top w0.165: D2.4@23.095,-6.076 D2.7@23.095,-5.59
  Top w0.216: J1.A7@17.84,0.25 17.842,0.252 18.713,0.252 v1@18.715,0.254 ; U7.8@19.455,-7.672 19.837,-7.29 20.462,-7.29 20.824,-6.928 22.813,-6.928 22.868,-6.984 23.047,-6.984 23.173,-6.857 23.173,-6.652 23.103,-6.582 23.103,-6.259 D2.4@23.095,-6.251 D2.4@23.095,-6.076 ; J1.B7@19.54,-0.5 19.582,-0.458 20.623,-0.458 20.66,-0.421 20.68,-0.442 20.804,-0.442 20.85,-0.396 21.029,-0.396 21.223,-0.59 v1(21.3,-0.59) 21.377,-0.59 21.571,-0.396 23.595,-0.396 24.17,-0.971 24.17,-3.274 23.173,-4.27 23.173,-5.014 23.103,-5.085 23.103,-5.408 D2.7@23.095,-5.416 D2.7@23.095,-5.59
  Bottom w0.216: v1@18.715,0.254 18.716,0.255 19.237,0.255 19.353,0.139 19.866,0.139 20.785,1.058 21.68,1.058 22.343,0.395 22.343,-0.068 22.016,-0.396 21.874,-0.396 21.734,-0.536 21.354,-0.536 v1(21.3,-0.59)
  other v1: 18.73,0.254
D_P: D2.5 D2.6 J1.A6 J1.B6 U7.7 | length 22.5
  Top w0.165: D2.5@23.587,-6.243 D2.6@23.587,-5.424
  Top w0.216: J1.A6@17.84,-0.25 18.04,-0.25 18.18,-0.39 18.762,-0.39 v1@18.771,-0.4 ; J1.B6@19.54,0 19.582,-0.042 20.04,-0.042 20.077,-0.079 20.558,-0.079 20.584,-0.053 21.029,-0.053 21.098,-0.053 21.223,0.072 v1(21.3,0.072) ; U7.7@20.555,-8.307 20.555,-8.145 21.429,-7.271 22.671,-7.271 22.726,-7.327 23.189,-7.327 23.516,-6.999 23.516,-6.652 23.587,-6.582 23.587,-6.259 D2.5@23.595,-6.251 D2.5@23.587,-6.243 ; v1@21.3,0.142 21.377,0.142 21.571,-0.053 21.679,-0.053 ccw(c21.679,0.195) 21.927,0.195 21.927,0.342 cw(c22.175,0.342) 22.175,0.589 22.505,0.589 cw(c22.505,0.342) 22.752,0.342 22.752,0.195 ccw(c23,0.195) 23,-0.053 23.737,-0.053 23.801,-0.117 24.513,-0.829 24.513,-3.416 23.516,-4.412 23.516,-5.014 23.587,-5.085 23.587,-5.408 D2.6@23.595,-5.416 D2.6@23.587,-5.424
  Bottom w0.216: v1@18.771,-0.4 18.848,-0.4 19.044,-0.204 20.008,-0.204 20.927,0.716 21.538,0.716 22,0.253 22,0.074 21.874,-0.053 21.502,-0.053 21.377,0.072 v1(21.3,0.072)
  other v1: 18.73,-0.4
DW_IRQ_BB: U6.2 U6.5 U19.45 | length 20.7
  Top w0.152: v1(-6.384,3.144) -6.355,3.173 -6.355,3.994 U19.45@-6.326,4.024
  Top w0.203: U6.5@-13.942,-9.469 v1(-12.405,-8.361) -11.411,-9.899 cw(c-11.581,-10.01) -11.47,-10.18 U6.2@-12.967,-11.157
  Signal_2 w0.203: v1(-12.405,-8.361) -12.405,-6.834 -6.451,-0.88 -6.451,2.25 -6.384,2.317 v1(-6.384,3.144)
DW_RESET_BB: U9.2 U9.7 U19.27 | length 43
  Top w0.203: v1(-11.86,8.339) -11.827,8.306 -11.081,8.306 -11.063,8.324 U19.27@-10.226,8.324 ; U9.2@-1.05,-24.175 -1.05,-22.451 -0.05,-21.451 U9.7@-0.05,-19.775 -0.05,-18.075 v1(0.278,-17.747)
  Bottom w0.305: v1(-11.86,8.339) -11.126,7.605 -11.126,2.576 -11.398,2.304 -11.398,-3.71 -8.727,-6.382 -8.727,-12.305 -7.93,-13.102 -7.93,-14.5 -7.751,-14.678 -2.635,-14.678 -2.118,-15.196 0.25,-17.564 0.25,-17.719 v1(0.278,-17.747)
EQ: R15.1 R16.2 U14.6 | length 3.5
  Top w0.254: R15.1@10.654,7.551 10.654,7.539 11.344,6.849 11.35,6.843 12.083,7.576 R16.2@12.1,7.576 ; U14.6@10.825,5.575 10.825,6.33 11.345,6.85
EXTON: R34.2 U19.21 | length 16.3
  Top w0.152: v1(-9.298,10.833) -9.024,10.559 -8.396,10.559 -8.315,10.478 -8.315,9.835 U19.21@-8.326,9.824
  Top w0.381: R34.2@-20.371,5.301 v1(-19.456,5.321)
  Bottom w0.406: v1(-19.456,5.321) -12.608,12.168 -10.621,12.168 -9.298,10.845 v1(-9.298,10.833)